# Altium PCB SP8T_ecal.PcbDoc (part 2 of 3) (continued)
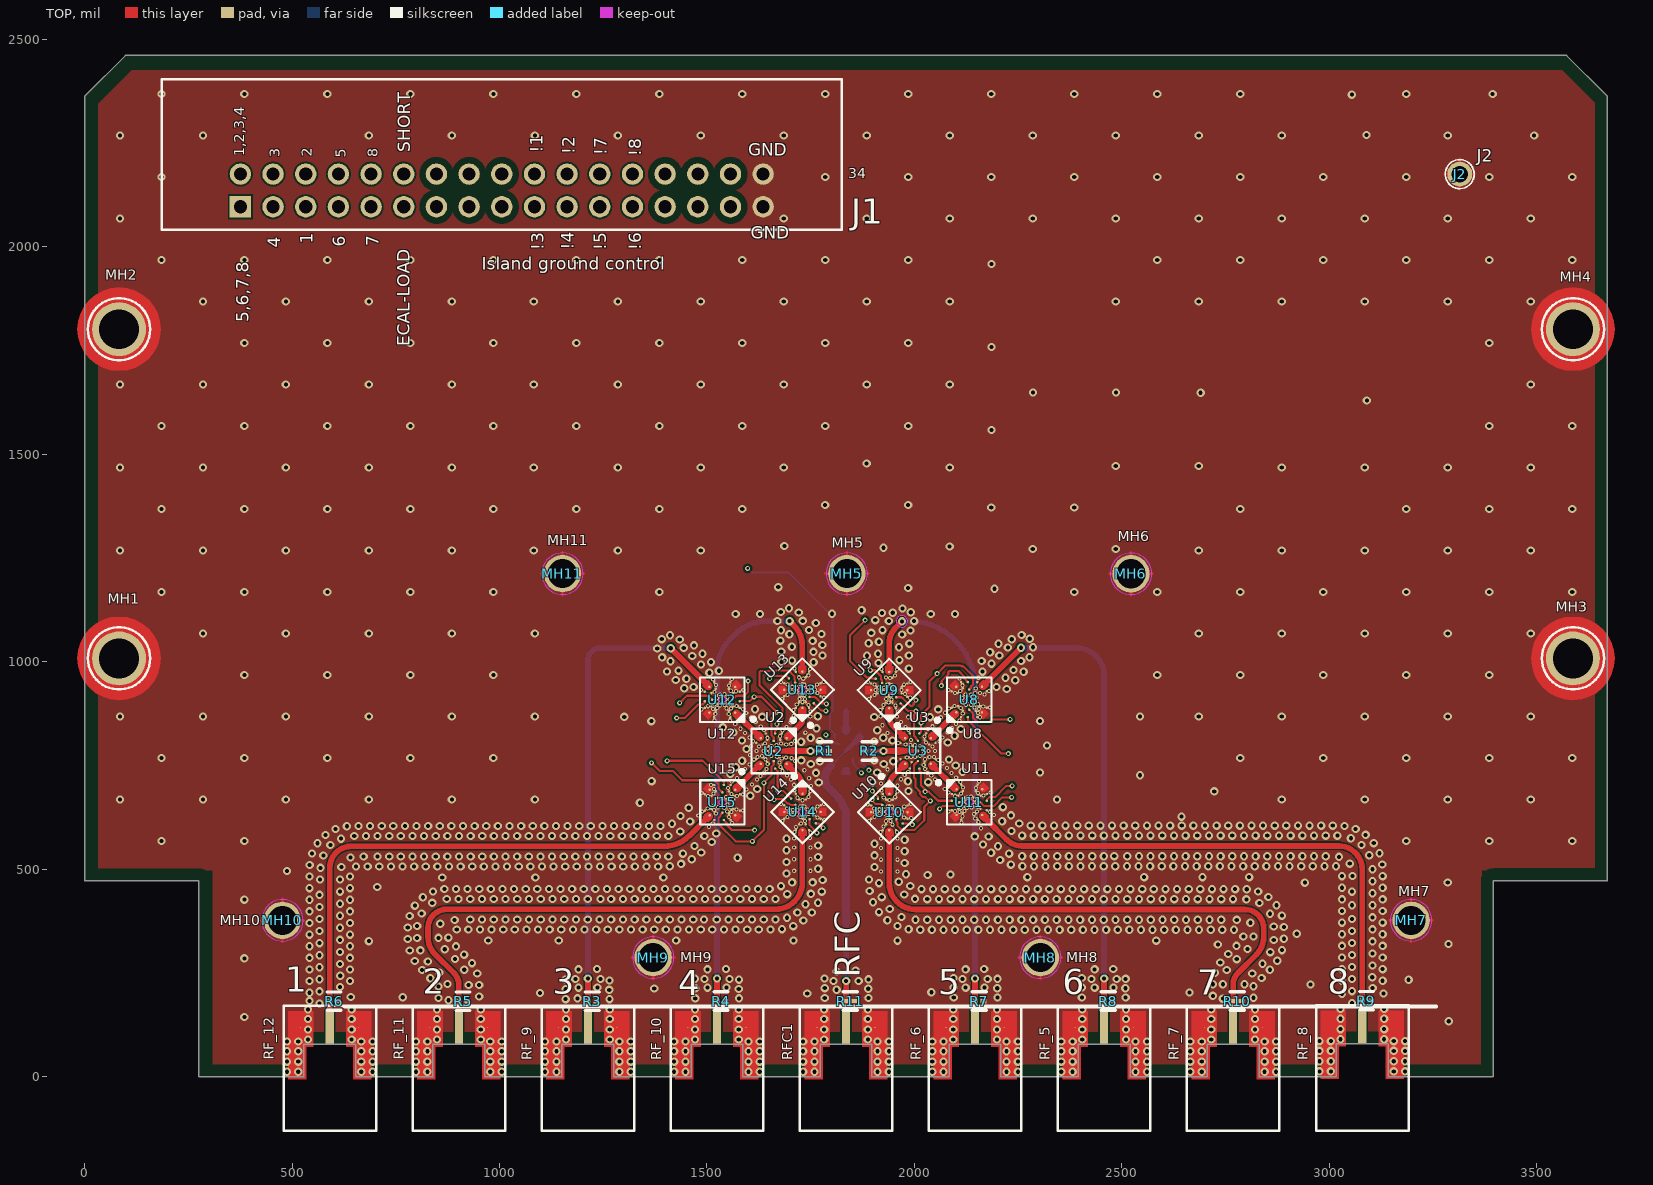
[diagram p0: TOP view]
## Nets (pads, with @x,y where several pads share a name; then routed paths per layer and width w, separated by ;. In a path a pad name is that pad's centre, name@x,y a point inside that pad or via, vN(x,y) a via of type N, cw(c..) or ccw(c..) an arc to the next point about the centre after c; other vN are vias at no path point) (continued)
  other v2: 1835.07,200.03 1212.8,205.99 1524.08,205.71 2146.49,205.99 2457.56,205.28 1479.8,250 2193.1,249.5 1569.4,250.6 2100.7,250.9 2410.9,251.5 2503.4,252.6 1262.8,255.7 1161.4,257.3 1789.2,261.5 1882.2,264.9 1478.27,271.65 1573.19,271.54 2097.3,272.7 2196.9,273 2407.2,274.2 2508.5,274.4 1262.66,278.29 1162.3,281.3 1811.2,281.6 2122.16,281.84 1549.28,283.46 2171.33,283.46 2482.35,283.46 1499.4,285.04 2432.07,284.41 1187.94,286.06 1237.7,287.2 1858.6,288.7 1785.8,291.6 1884.8,293.9 2094.65,293.61 2196.8,295.88 2405.64,297.02 2506.66,297.02 1574.79,297.9 1475.57,298.73 2121.01,304.65 1163.6,305.9 1262.66,305.85 1549.28,311.02 2171.33,311.02 2482.35,311.02 1810.9,311.4 2432.07,313.23 1187.94,313.62 1498.89,313.74 1238.26,318.9 1884.5,320.6 2094.65,321.17 1858.6,322.1 1783.5,323.4 2196.8,323.44 2405.64,324.58 2506.66,324.58 1574.79,325.46 1473.17,329.09 1163.35,329.76 2121.01,332.2 1262.66,333.41 1549.28,338.58 2171.33,338.58 2482.35,338.58 1187.94,341.18 1810.4,340.6 2431.25,341.73 1498.57,344.61 1238.26,346.46 1888.5,346.9 2094.65,348.73 1780.4,350.3 2196.8,351 2405.64,352.14 2506.66,352.14 1574.79,353.02 1862.9,352.5 1163.35,357.31 1473.77,358.95 2121.01,359.76 1262.66,360.97 1549.28,366.14 2171.33,366.14 2482.35,366.14 1805.44,367.75 1187.94,368.74 1889.3,372.5 2431.09,373.11 1238.26,374.02 1498.96,376.54 2094.65,376.29 2196.8,378.56 2405.64,379.7 2506.66,379.7 1574.79,380.57 1782.14,382.45 1865.74,383.95 1163.35,384.87 1473.77,386.51 2121.01,387.32 1262.66,388.52 1549.28,393.7 2171.33,393.7 2482.35,393.7 1805.44,395.31 1187.94,396.3 1889.44,400.05 1238.26,401.57 1498.96,404.09 2094.65,403.84 2196.8,406.11 2405.64,407.25 2506.66,407.25 1574.79,408.13 2432.04,407.4 1782.14,410.01 1865.74,411.51 1163.35,412.43 1473.77,414.06 2121.01,414.88 1262.66,416.08 1549.28,421.26 2171.33,421.26 2482.35,421.26 1805.44,422.87 1187.94,423.86 1889.44,427.61 1238.26,429.13 1498.96,431.65 2094.65,431.4 2196.8,433.67 2405.64,434.81 2432.04,434.96 2506.66,434.81 1574.79,435.69 1782.14,437.57 1865.74,439.07 1163.35,439.99 1473.77,441.62 2121.01,442.44 1262.66,443.64 1549.28,448.82 2171.33,448.82 2482.35,448.82 1805.44,450.43 1187.94,451.42 1889.44,455.17 1238.26,456.69 1498.96,459.21 2094.65,458.96 2196.8,461.23 1574.79,463.25 2405.64,462.37 2432.04,462.52 2506.66,462.37 1782.14,465.13 1865.74,466.63 1163.35,467.55 1473.77,469.18 2121.01,470 1262.66,471.2 1549.28,476.38 2171.33,476.38 2482.35,476.38 1805.44,477.99 1187.94,478.98 1889.44,482.73 1238.26,484.25 1498.96,486.77 2094.65,486.52 2196.8,488.79 2405.64,489.93 2432.04,490.08 2506.66,489.93 1574.79,490.81 1782.14,492.69 1865.74,494.19 1163.35,495.11 1473.77,496.74 2121.01,497.56 1262.66,498.76 1549.28,503.94 2171.33,503.94 2482.35,503.94 1805.44,505.54 1187.94,506.54 1889.44,510.29 1238.26,511.81 2094.65,514.08 1498.96,514.33 2196.8,516.35 2405.64,517.49 2432.04,517.64 2506.66,517.49 1574.79,518.37 1782.14,520.24 1865.74,521.74 1163.35,522.67 1473.77,524.3 2121.01,525.12 1262.66,526.32 2482.35,530.47 1549.28,531.5 2171.33,531.5 1805.44,533.1 1187.94,534.09 1889.44,537.84 1238.26,539.37 1498.96,541.89 2094.65,541.64 2196.8,543.91 2405.64,545.05 2432.04,545.2 2506.66,545.05 1574.79,545.93 1782.14,547.8 1163.35,550.23 1865.74,549.3 1473.77,551.86 2121.01,552.68 1262.66,553.88 1549.28,559.06 2171.33,559.06 2482.35,559.06 1805.44,560.66 1187.94,561.65 1889.44,565.4 1238.26,566.93 2094.65,569.2 1498.96,569.45 2196.8,571.47 1784.4,572.4 2405.64,572.61 2432.04,572.76 2506.66,572.61 1574.79,573.49 1865.74,576.86 1163.35,577.79 1473.77,579.42 2121.01,580.24 1262.66,581.44 1549.28,586.61 2171.33,586.61 2482.35,586.61 1805.44,588.22 1187.94,589.21 1889.44,592.96 1238.26,594.49 1498.96,597.01 2094.65,596.76 2196.8,599.03 2405.64,600.17 2506.66,600.17 1574.79,601.05 2432.04,600.31 1865.74,604.42 1163.35,605.35 1473.77,606.98 2121.01,607.8 1262.66,609 1549.28,614.17 2171.33,614.17 2482.35,614.17 1805.44,615.78 1187.94,616.77 1887.6,620.9 1238.26,622.05 1498.96,624.57 2094.65,624.32 1780.9,625.5 2196.8,626.59 2405.64,627.73 2432.04,627.87 2506.66,627.73 1574.79,628.61 1864.6,630.1 1163.35,632.91 1473.77,634.54 2121.01,635.35 1262.66,636.56 1803.2,640.2 1549.28,641.73 2171.33,641.73 2482.35,641.73 1187.94,644.33 1884.4,647.1 1768.5,648.7 1238.26,649.61 1498.96,652.13 2094.65,651.88 2196.8,654.15 1574.79,656.17 2405.64,655.29 2432.04,655.43 2506.66,655.29 1860.3,657.4 1163.35,660.46 1473.77,662.1 1789.5,662.1 2121.01,661.85 1263.5,667.1 1877.38,666.69 1549.28,669.29 2171.33,669.29 2482.35,669.29 1187.94,671.89 1749.2,673.1 1238.26,677.17 1498.96,679.69 2094.65,679.44 1849,681.2 1770.1,681.3 2196.8,681.71 2405.64,682.85 2432.04,682.99 2506.66,682.85 1574.79,683.72 1163.35,688.02 1473.77,689.66 2121.01,690.47 1735.5,695.3 1263.2,696.9 1549.28,696.85 2171.33,696.85 2482.35,696.85 1187.94,699.45 1831.9,699.9 1864.11,703.82 1238.26,704.72 1758.5,705.6 1498.96,707.24 2094.65,706.99 2196.8,709.26 2405.64,710.4 2432.04,710.55 2506.66,710.4 1574.79,711.28 1163.35,715.58 1473.77,717.21 1814.4,717.5 1850.2,717.4 2121.01,718.03 1549.28,724.41 2171.33,724.41 2482.35,724.41 1265.5,725.3 1187.94,727.01 1736.1,727.6 1238.26,732.28 1759.6,733.6 1498.96,734.8 2094.65,734.55 2196.8,736.82 2405.64,737.96 2432.04,738.11 2506.66,737.96 1574.79,738.84 1163.35,743.14 1473.77,744.77 2121.01,745.59 1549.28,751.97 2171.33,751.97 2482.35,751.97 1266.1,753.1 1187.94,754.57 1238.26,759.84 2094.65,762.11 1498.96,762.36 2196.8,764.38 2405.64,765.52 2432.04,765.67 2506.66,765.52 1574.79,766.4 1163.35,770.7 1473.77,772.33 2121.01,773.15 1549.28,779.53 2171.33,779.53 2482.35,779.53 1266.1,780.9 1187.94,782.13 1718.9,784.85 1956.68,785.42 1238.26,787.4 1498.96,789.92 2094.65,789.67 2196.8,791.94 2405.64,793.08 2432.04,793.23 2506.66,793.08 1574.79,793.96 1163.35,798.26 1473.77,799.89 2121.01,800.71 1549.28,807.09 2171.33,807.09 2482.35,807.09 1187.94,809.69 1265.8,811 1238.26,814.96 2094.65,817.23 1498.96,817.48 2196.8,819.5 2405.64,820.64 2432.04,820.79 2506.66,820.64 1574.79,821.52 1163.35,824.59 1473.77,827.45 2121.01,828.27 1549.28,834.65 2171.33,834.65 2482.35,834.65 1187.94,837.24 1266.1,839.9 1238.26,842.52 1498.96,845.04 2094.65,844.79 2196.8,847.06 1574.77,847.81 2405.64,848.2 2506.66,848.2 2432.04,848.35 1163.35,852.15 1473.77,855.01 2121.01,855.83 1549.28,862.2 2171.33,862.2 2482.35,862.2 1187.94,864.8 1265.5,867.2 1238.26,870.08 1498.96,872.6 2093.2,872.6 2198.9,874.7 1574.77,875.37 2405.94,876.15 2432.04,875.91 2506.06,875.86 1163.35,879.71 1476.9,882.1 2121.01,883.39 1549.28,889.76 2171.33,889.76 2482.35,889.76 1187.94,892.36 1266.1,895.8 1238.26,897.64 1498.96,900.16 2093.2,899.88 1574.77,902.93 2197.2,903.6 2405.94,903.71 2432.04,903.46 2506.06,903.42 1163.35,907.26 2121.01,910.67 1474.27,912.17 1549.28,917.32 2171.33,917.32 2482.35,917.32 1187.94,919.92 1264.9,923.9 1238.26,925.2 1498.96,927.72 2093.2,927.71 1574.77,930.49 2432.04,931.02 2506.06,930.98 2405.94,931.26 2195.5,932.3 1163.35,934.82 2121.01,938.5 1474.27,939.73 1549.28,944.88 2171.21,944.88 2482.35,944.88 1187.94,947.48 1238.26,952.76 1264.6,952.3 2087.65,953.38 1498.96,955.28 1574.77,958.05 2405.94,958.82 2432.04,958.58 2506.06,958.54 2192.21,960.78 1163.35,962.38 2115.46,964.17 1474.27,967.29 1549.28,972.44 2168.14,972.28 2482.11,972.44 1187.94,975.04 1265.68,978.65 1372.8,979 2262.4,978.6 1293.84,979.75 1321.39,979.75 1348.95,979.75 1238.26,980.31 2081.98,980.78 1427.1,982.6 1499,982.83 2285.68,982.95 2313.24,982.95 2340.79,982.95 2368.35,982.95 2395.91,982.95 1397.2,983.5 1574.77,985.61 2426.84,985.67 2506.06,986.1 2189.14,988.18 1163.35,989.94 2109.79,991.57 1474.27,994.85 2160.93,998.86 1552.04,999.84 2475.93,999.29 1187.94,1002.6 2068.2,1004.64 2302.86,1005.12 2407.35,1005.16 1241.17,1005.39 1266.4,1008.2 1292.2,1008.2 1318,1008.2 1340.7,1007.6 2324.79,1007.87 2352.35,1007.87 2379.91,1007.87 1366.5,1008.5 1435.55,1009.57 1502.74,1010.12 1588,1009.9 2235.72,1010.14 2181.93,1014.76 2096.01,1015.43 2499.4,1015.5 1163.35,1017.5 1480.7,1021.6 2462,1023.07 2149.83,1024.09 1564.04,1024.65 2049.89,1025.23 1193.1,1026.6 1606.7,1030.6 1512.27,1035.98 2077.7,1036.02 2484.7,1037.9 2022.2,1039.3 2170.83,1039.99 1632.3,1041.7 1973,1042.2 2442.31,1042.4 1208.5,1045.1 1582.9,1044.76 1170.75,1045.66 1488.17,1046.18 1657.2,1047.1 1995.2,1047.2 2134.99,1047.32 1708.57,1048.4 1678,1051.6 2058.5,1052.6 2419.4,1053.94 1233.7,1056.4 1260.1,1057.3 1287.6,1058.1 1314.9,1057.9 1341.3,1058.1 1367.7,1057.6 2312.74,1058.19 2340.3,1058.19 2367.86,1058.19 2395.42,1058.19 1527.19,1059.17 1604.32,1062.13 2461.4,1061.6 2036.1,1064 1186,1065.2 2116.8,1068.03 1503.09,1069.37 2012.2,1071.1 1630.3,1071.3 1948.57,1073.7 1722.7,1074.84 2438.7,1075.2 1655.34,1075.83 1206.26,1078.35 1546.17,1079.13 2243.04,1079.45 2270.6,1079.45 2298.16,1079.45 2325.72,1079.45 2353.28,1079.45 2380.84,1079.45 2408.39,1079.45 1425.4,1081.3 2137.8,1083.93 1232.72,1084.65 1260.28,1084.65 1287.84,1084.65 1315.39,1084.65 1342.95,1084.65 1370.51,1084.65 1396.6,1085.1 2096.29,1086.46 1522.07,1089.33 1566.68,1097.56 2073.18,1101.42 2117.29,1102.36 1541.68,1108.86 1590.5,1111.42 2047.94,1112.52 2094.18,1117.32 1616.72,1119.92 2021.29,1119.49 1650.6,1123 1564.5,1125.1 2068.94,1128.42 1588.3,1138.2 2046.3,1139.4 1995.8,1143.7 2019.9,1144.3 1616.7,1145.6 1717.6,1147.2 1642.5,1148.1 1691.2,1150 1969.6,1149.4 1668.2,1150.3
  other v3: 487.8,11.7 515.2,11.7 666.9,11.7 694.3,11.7 798.82,11.7 826.22,11.7 977.92,11.7 1005.32,11.7 1109.85,11.7 1137.25,11.7 1288.95,11.7 1316.35,11.7 1420.87,11.7 1448.27,11.7 1599.97,11.7 1627.37,11.7 1731.9,11.7 1759.3,11.7 1911,11.7 1938.4,11.7 2042.92,11.7 2070.32,11.7 2222.02,11.7 2249.42,11.7 2353.94,11.7 2381.34,11.7 2533.04,11.7 2560.44,11.7 2664.97,11.7 2692.37,11.7 2844.07,11.7 2871.47,11.7 2976.23,12.57 3003.63,12.57 3155.33,12.57 3182.73,12.57 487.8,36 515.2,36 666.9,36 694.3,36 798.82,36 826.22,36 977.92,36 1005.32,36 1109.85,36 1137.25,36 1288.95,36 1316.35,36 1420.87,36 1448.27,36 1599.97,36 1627.37,36 1731.9,36 1759.3,36 1911,36 1938.4,36 2042.92,36 2070.32,36 2222.02,36 2249.42,36 2353.94,36 2381.34,36 2533.04,36 2560.44,36 2664.97,36 2692.37,36 2844.07,36 2871.47,36 2976.23,36.87 3003.63,36.87 3155.33,36.87 3182.73,36.87 487.8,61 515.2,61 666.9,61 694.3,61 798.82,61 826.22,61 977.92,61 1005.32,61 1109.85,61 1137.25,61 1288.95,61 1316.35,61 1420.87,61 1448.27,61 1599.97,61 1627.37,61 1731.9,61 1759.3,61 1911,61 1938.4,61 2042.92,61 2070.32,61 2222.02,61 2249.42,61 2353.94,61 2381.34,61 2533.04,61 2560.44,61 2664.97,61 2692.37,61 2844.07,61 2871.47,61 2976.23,61.87 3003.63,61.87 3155.33,61.87 3182.73,61.87 487.8,84.5 515.2,84.5 666.9,84.5 694.3,84.5 798.82,84.5 826.22,84.5 977.92,84.5 1005.32,84.5 1109.85,84.5 1137.25,84.5 1288.95,84.5 1316.35,84.5 1420.87,84.5 1448.27,84.5 1599.97,84.5 1627.37,84.5 1731.9,84.5 1759.3,84.5 1911,84.5 1938.4,84.5 2042.92,84.5 2070.32,84.5 2222.02,84.5 2249.42,84.5 2353.94,84.5 2381.34,84.5 2533.04,84.5 2560.44,84.5 2664.97,84.5 2692.37,84.5 2844.07,84.5 2871.47,84.5 2976.23,85.37 3003.63,85.37 3155.33,85.37 3182.73,85.37 538.4,89.2 643.7,89.2 849.42,89.2 954.72,89.2 1160.45,89.2 1265.75,89.2 1471.47,89.2 1576.77,89.2 1782.5,89.2 1887.8,89.2 2093.52,89.2 2198.82,89.2 2404.54,89.2 2509.84,89.2 2715.57,89.2 2820.87,89.2 3026.83,90.07 3132.13,90.07 538.4,113.5 643.7,113.5 849.42,113.5 954.72,113.5 1160.45,113.5 1265.75,113.5 1471.47,113.5 1576.77,113.5 1782.5,113.5 1887.8,113.5 2093.52,113.5 2198.82,113.5 2404.54,113.5 2509.84,113.5 2715.57,113.5 2820.87,113.5 3026.83,114.37 3132.13,114.37 3287.9,133.46 538.4,138.5 643.7,138.5 849.42,138.5 954.72,138.5 1160.45,138.5 1265.75,138.5 1471.47,138.5 1576.77,138.5 1782.5,138.5 1887.8,138.5 2093.52,138.5 2198.82,138.5 2404.54,138.5 2509.84,138.5 2715.57,138.5 2820.87,138.5 3026.83,139.37 3132.13,139.37 385.26,143.5 538.4,162 643.7,162 849.42,162 954.72,162 1160.45,162 1265.75,162 1471.47,162 1576.77,162 1782.5,162 1887.8,162 2093.52,162 2198.82,162 2404.54,162 2509.84,162 2715.57,162 2820.87,162 3026.83,162.87 3132.13,162.87 1159.5,186.6 1265,186.6 1187.9,188.5 1471.7,188.5 1577.2,188.5 1783.8,189.1 1889.3,189.1 767.04,191.02 2094.7,190.4 2200.2,190.4 2403.6,190.4 2509.1,190.4 1741.84,200 1097.74,201.57 2040.78,203.23 2662.82,202.76 1264.4,209 1812.67,209.15 1159.8,210.6 1576.6,210.9 1372.94,212.2 1888.7,211.5 1472,212.5 1784.1,213.1 2199.6,212.8 2508.5,212.8 1190.34,214.25 1501.37,214.25 2123.41,214.25 2434.44,214.25 1235.93,214.45 1546.96,214.45 2095,214.4 2169,214.45 2403.9,214.4 2480.03,214.45 2954.71,221.85 1805.23,230.14 1865.66,230.25 1265,231.7 1159.1,233.7 1577.2,233.6 1889.3,234.2 3191.05,233.46 1182.9,235.24 1493.93,235.24 2115.97,235.24 2427,235.24 1243.33,235.35 1471.3,235.6 1554.36,235.35 1783.4,236.2 2176.41,235.35 2200.2,235.5 2487.43,235.35 2509.1,235.5 2094.3,237.5 2403.2,237.5 1812.67,253.25 1858.3,255.4 1190.34,258.35 1501.37,258.35 2123.41,258.35 2434.44,258.35 1234.99,259.41 1546.01,259.41 2168.06,259.41 2479.08,259.41 385.26,284.92 2731.37,318.23 3287.11,319.69 685.26,326.34 973.1,327.91 1142.82,327.91 1425.74,327.91 1708.65,327.91 1959.36,327.6 2582.94,327.6 2921.41,344.17 385.26,426.34 705.62,456.69 2941.05,467.32 3285.26,467.76 862.23,479.76 1086.52,479.76 1394.95,479.76 2272.27,480.63 2553.61,480.63 2694.28,480.63 2806.8,480.63 488.02,495.31 185.26,567.76 385.26,567.76 3185.26,567.76 3385.26,567.76 3585.26,567.76 2643.85,626.34 1338.26,659.84 85.26,667.76 285.26,667.76 485.26,667.76 685.26,667.76 885.26,667.76 1085.26,667.76 2343.85,667.76 2885.26,667.76 3085.26,667.76 3285.26,667.76 3485.26,667.76 2722.63,687.28 1366.68,712.05 2543.85,726.34 2302.74,732.76 1750.36,753.3 1925.96,753.3 1771.95,760.04 1948.96,759.74 1727.15,762.04 1903.55,761.64 185.26,767.76 385.26,767.76 585.26,767.76 785.26,767.76 985.26,767.76 2785.26,767.76 2985.26,767.76 3185.26,767.76 3385.26,767.76 3585.26,767.76 2319.71,797.64 1726.99,806.89 1902.89,807.29 1771.65,808.53 1946.95,809.73 1749.85,816.63 1924.85,816.53 1366.13,856.61 2302.74,857.01 1300.7,866.9 85.26,867.76 285.26,867.76 485.26,867.76 685.26,867.76 885.26,867.76 1085.26,867.76 2543.85,867.76 2685.26,867.76 2885.26,867.76 3085.26,867.76 3285.26,867.76 3485.26,867.76 385.26,967.76 585.26,967.76 785.26,967.76 985.26,967.76 2585.26,967.76 2785.26,967.76 2985.26,967.76 3185.26,967.76 3385.26,967.76 1412.07,1000.79 2257.31,1001.69 1391.96,1010.35 2277.43,1010.51 1444.16,1033.15 2225.22,1034.06 1434.63,1053.19 2234.75,1054.09 1391.25,1054.29 2278.14,1055.2 1411.01,1063.5 2258.37,1064.41 1698.69,1065.91 1970.46,1065.35 285.26,1067.76 485.26,1067.76 685.26,1067.76 885.26,1067.76 1085.26,1067.76 2685.26,1067.76 2885.26,1067.76 3085.26,1067.76 3285.26,1067.76 3485.26,1067.76 1990.58,1074.92 1678.57,1075.47 1938.37,1097.72 1730.78,1098.27 1947.9,1117.76 1721.25,1118.31 1991.29,1118.86 1677.86,1119.41 1971.52,1128.07 1697.63,1128.62 185.26,1167.76 385.26,1167.76 585.26,1167.76 785.26,1167.76 985.26,1167.76 1385.26,1167.76 2385.26,1167.76 2585.26,1167.76 2785.26,1167.76 2985.26,1167.76 3185.26,1167.76 3385.26,1167.76 3585.26,1167.76 2193.02,1175.59 1984.95,1177.28 1671.76,1179.53 85.26,1267.76 285.26,1267.76 485.26,1267.76 685.26,1267.76 885.26,1267.76 1082.62,1267.76 1285.26,1267.76 1485.26,1267.76 2685.26,1267.76 2885.26,1267.76 3085.26,1267.76 3285.26,1267.76 3485.26,1267.76 2285.26,1271.34 2485.26,1271.34 1925.7,1274.41 2084.95,1277.28 1686.53,1278.86 185.26,1367.76 385.26,1367.76 585.26,1367.76 785.26,1367.76 985.26,1367.76 1185.26,1367.76 1385.26,1367.76 1585.26,1367.76 2785.26,1367.76 3185.26,1367.76 3385.26,1367.76 3585.26,1367.76 2185.26,1371.34 2385.26,1371.34 1784.95,1377.28 1984.95,1377.28 85.26,1467.76 285.26,1467.76 485.26,1467.76 685.26,1467.76 885.26,1467.76 1082.62,1467.76 1285.26,1467.76 1485.26,1467.76 1685.26,1467.76 2085.26,1467.76 2885.26,1467.76 3085.26,1467.76 3285.26,1467.76 3485.26,1467.76 2485.26,1471.34 2685.26,1471.34 1884.95,1477.28 2185.58,1558.23 185.26,1567.76 385.26,1567.76 585.26,1567.76 785.26,1567.76 985.26,1567.76 1185.26,1567.76 1385.26,1567.76 1585.26,1567.76 1785.26,1567.76 1985.26,1567.76 3385.26,1567.76 3585.26,1567.76 3090.5,1629.09 2689.87,1648.15 2285.89,1648.7 2485.89,1648.7 85.26,1667.76 285.26,1667.76 485.26,1667.76 685.26,1667.76 885.26,1667.76 1082.62,1667.76 1285.26,1667.76 1485.26,1667.76 1685.26,1667.76 1885.26,1667.76 2085.26,1667.76 3485.26,1667.76 2185.58,1758.23 385.26,1767.76 585.26,1767.76 785.26,1767.76 985.26,1767.76 1185.26,1767.76 1385.26,1767.76 1585.26,1767.76 1785.26,1767.76 1985.26,1767.76 3385.26,1767.76 285.26,1867.76 485.26,1867.76 685.26,1867.76 885.26,1867.76 1082.62,1867.76 1285.26,1867.76 1485.26,1867.76 1685.26,1867.76 1885.26,1867.76 2085.26,1867.76 2485.26,1867.76 2685.26,1867.76 2885.26,1867.76 3085.26,1867.76 3285.26,1867.76 3485.26,1867.76 2185.58,1958.23 185.26,1967.76 385.26,1967.76 585.26,1967.76 785.26,1967.76 985.26,1967.76 1185.26,1967.76 1385.26,1967.76 1585.26,1967.76 1785.26,1967.76 1985.26,1967.76 2585.26,1967.76 2785.26,1967.76 2985.26,1967.76 3185.26,1967.76 3385.26,1967.76 3585.26,1967.76 85.26,2067.76 1685.26,2067.76 1885.26,2067.76 2085.26,2067.76 2285.26,2067.76 2485.26,2067.76 2685.26,2067.76 2885.26,2067.76 3085.26,2067.76 3285.26,2067.76 3485.26,2067.76 185.26,2167.76 1785.26,2167.76 1985.26,2167.76 2185.26,2167.76 2385.26,2167.76 2585.26,2167.76 2785.26,2167.76 2985.26,2167.76 3185.26,2167.76 3385.26,2167.76 3585.26,2167.76 85.26,2267.76 285.26,2267.76 685.26,2267.76 885.26,2267.76 1085.26,2267.76 1285.26,2267.76 1485.26,2267.76 1685.26,2267.76 1885.26,2267.76 2085.26,2267.76 2285.26,2267.76 2485.26,2267.76 2685.26,2267.76 2885.26,2267.76 3285.26,2267.76 3493.57,2267.91 3089.79,2269.33 3054.36,2366.46 185.26,2367.76 385.26,2367.76 585.26,2367.76 785.26,2367.76 985.26,2367.76 1185.26,2367.76 1385.26,2367.76 1585.26,2367.76 1785.26,2367.76 1985.26,2367.76 2185.26,2367.76 2385.26,2367.76 2585.26,2367.76 2785.26,2367.76 3185.26,2367.76 3393.57,2367.91
  other v4: 1919.63,494.41 1959.16,494.41 1710.26,495.87 1749.79,495.87 1919.63,522.68 1959.16,522.68 1710.26,523.78 1749.79,523.78 1919.63,550.98 1959.16,550.98 1710.26,551.69 1749.79,551.69 1710.26,573.7 1919.63,573.39 1959.16,573.39 1748,575 1749.26,587.57 1711,589 1918.1,588.86 1958.23,588.88 2160.19,598.5 1714.7,601 1505.22,601.97 1925.3,602.4 1947.36,607.05 1514.04,609.69 1726.71,609.61 1560.3,610.47 2113.45,611.65 2154,613 1681.76,616.02 1736.03,615.77 1890.94,615.54 1931.7,615.35 1942.76,615.9 1782.88,618.51 2146.69,622.08 1992.41,623.19 1766.05,624.76 1975.38,624.45 1553.06,626.06 1694.56,625.59 1725.11,625.59 1903.89,625.28 1934.69,625.37 1944.9,625.4 1736.73,626.76 2115.74,627.44 1479.24,629.53 1707.28,630.85 2191.96,630.28 1717.43,632.16 1744.75,633.22 1927.5,632.8 1953.2,632.68 2143.54,632.31 1521.41,633.61 1915.38,633.78 1698.53,636.57 1905.24,636.3 1559.4,638.07 1969.52,638.11 2108.52,637.51 2182.6,638.1 1488.37,638.66 1549.04,638.88 1760.19,638.43 2082.47,638.5 2150.78,639.23 2097.95,639.47 2120.79,640.15 1587.15,641.46 1517.52,642.8 1707.36,642.55 1717.91,642.63 1927.94,643.19 1571.37,643.74 1742.7,643.94 1915.75,644.1 1952.79,643.47 1502,646 1902.34,645.97 1693.02,646.3 1541.72,647.8 2112.35,647.48 2127.1,647.74 1526.96,649.03 1558.12,648.68 2137.32,648.33 2152.74,649.55 1724.38,650.32 1734.85,650.81 1766.13,650.75 1935.32,650.63 1945.62,650.49 1975.46,650.43 1516.33,653.01 1549.79,655.55 1887.41,655.79 2120.21,656.19 2144.71,655.77 1678.85,656.93 1781.96,656.97 1991.29,656.65 1552.68,665.05 1730.12,665.97 1939.5,666.62 2118.77,666.9 1563.3,667.8 2144.78,667.26 1718,672 1926.1,672.8 2126.91,672.95 1546.04,673.27 1744.4,673.58 1953.73,673.27 2136.71,674.55 1572,676 1502.94,676.57 2097.55,676.64 2166.88,677.44 1587,679.57 1559,681 1515.65,682.27 2111.95,682.53 2153.06,682.95 1487.35,683.35 2081.64,684.72 2183.22,684.92 1749.63,687.83 1958.93,687.52 1710.93,690.16 1920.26,689.84 1595.58,692.01 1517.01,693.21 2073.14,693.31 1550.7,695.73 2148.57,695.87 2117.04,696.65 1750.78,700.59 1959.56,700.79 1510.21,702.46 1709.87,703.15 1608.69,703.94 2060.71,704.92 1919.59,706.69 2110.62,710.39 1559.77,711.8 2155.34,711.46 1620.5,715.75 1702.78,715.75 2049.49,716.03 1967.43,716.54 1572.15,718.9 1746.48,718.9 2100.7,720.47 1629.5,724.5 1693.3,725.5 1926.13,725.59 2040.56,725.56 1976.61,726.66 1582.78,730.71 1638.07,732.13 2031.53,731.47 2089.67,731.89 1985.1,734.2 1682.4,736.9 1734.67,738.19 1935.3,740.47 2025.21,740.92 1591.37,741.34 1643.89,741.61 2078.26,743.31 1677.15,746.33 2022.42,751.04 1602.78,751.97 1646.4,753.4 2068.02,754.72 1674.8,756.84 1712,760.6 2057.53,762.84 1613.5,763.7 1641.33,764.61 2025.71,764.7 1680.24,766.35 1703.42,767.55 1690.9,768.8 1981.7,769.1 1991.65,769.92 2001.91,770.25 2035.92,770.1 2047.54,770.12 1622.16,770.57 1669.3,770.5 1633.13,772.63 1656,772.5 2013.66,772.58 1603.74,774.62 1646.46,779.41 2023.42,779.32 1619.83,784.53 1636.13,784.53 2033.53,784.61 2049.83,784.61 1646.68,790.03 2023.46,789.73 1625.74,795.71 2043.92,795.79 1606.52,796.93 1656,796.7 2013.66,796.78 1667.7,798.84 1990.6,798.9 2001.06,798.99 1978.97,799.99 1691.2,800.6 1703.11,801.98 1639.71,802.32 1678.26,802.32 1961.05,804.03 2028.33,804.69 1610.78,808.11 2060.57,807.97 1712.2,809.2 1992.19,810.86 1646,816.4 1602.47,817.32 2067.23,817.32 1676.05,820.08 2024,819.4 1591.84,827.95 1935.38,828.19 1737.07,828.74 2079.63,829.53 1637.98,835.24 1681.76,834.57 1985.93,835.67 1580.5,838.15 2032.82,837.69 2090.38,839.41 1691.44,842.56 1978.26,842.52 1629.67,843.31 2043.41,844.13 1746.6,847.2 1923.06,846.65 1568.22,850 2100.5,850 1702.07,853.58 1617.47,854.33 1968.02,854.41 2052.47,855.16 2108.61,857.72 1517.86,858.46 1555.97,858.62 1606.44,865.35 2063.49,865.79 2157.92,865.98 1748.93,867.76 1958.41,867.72 1708.77,868.54 1918.73,868.43 1520.15,874.25 1552.5,874 2116.6,874.6 1594.63,876.38 2074.12,876.81 2152.92,876.32 1749.62,879.42 1961.15,879.5 1917.67,882.83 1708.41,883.39 1587.58,885.19 1486.88,885.31 1514.48,886.22 1557.8,887 2082.94,886.69 2155.63,886.35 1524.77,888.1 1547.38,887.6 2111.77,888.31 2144.74,889.71 2181.72,889.49 2165.93,891.77 1502.47,892.56 1571.7,892.8 2096.72,893.07 1531.69,894.95 1744.9,895.1 1954.3,894.5 1542.3,896.08 1925.5,895.6 2124.18,895.73 2136.29,895.83 1518.12,896.36 1557.08,896.95 1716.4,896.4 2152.9,897.31 1730.2,902.2 1938.06,901.48 2114.3,901.75 1525.05,903.43 1549.3,903.9 2145.24,904.11 1944.88,909.12 1681.37,910.2 1736.34,910.04 1890.62,909.65 1932.19,909.97 1723.08,910.42 1524.12,912.6 1989.98,912.88 2115.77,912.62 1549.86,914.18 1782.51,913.55 2149.36,913.34 1903.41,919.21 1943.4,918.88 1694.16,919.76 1735.3,919.9 1933.37,919.89 1531.34,920.54 1724.7,920.31 2123.29,920.93 2136,921 2168.65,920.86 1541.94,921.32 1977.22,922.46 1766.56,924.08 2146.59,923.84 2157.96,924.07 2097.51,924.61 1916.14,925.65 1950.85,925.59 1517.98,926.7 1716.32,926.47 1743.06,926.47 1926.09,927.17 1569.66,928.6 1705.34,928.39 2110.42,929.09 1557.47,929.76 2179.6,929.6 1486.09,931.57 1587.63,931.73 1698.61,932.2 1905.91,931.63 1969.04,932.05 2081.92,931.38 1759.99,932.74 2147.79,934.9 1952.04,935.84 1717.09,937.12 1743.87,937.97 1914.57,938.04 1927.23,937.28 1705.61,939.32 1552.98,942.68 2115.93,942.91 1522.2,943.5 1724.08,944.06 1735.2,944.1 1944.9,943.4 1694.59,945.2 1765.74,944.92 1903.85,944.65 1934.67,944.48 1974.99,944.37 1678.45,951.1 1781.56,951.14 1887.7,950.55 1990.81,950.59 1515.07,957.24 1559.75,958.27 1732.1,958.84 2108.45,959.25 1941.44,960.23 2154.51,961.04 1722.26,962.24 1931.45,961.72 1744.3,967 1953.5,966.3 1748.7,982 1958,981.5 1920.2,982.4 1711,983.3
  other v5: 1985.22,866.19
  other v6: 1854.59,733.19 1815.93,735.55 1843.68,747.19 1823.36,747.93 1835.19,755.71 1786,766 1886.7,765.8 1800,770 1870.7,770.9 1839,772 1806,779 1865.1,781.1 1853.82,782.29 1823,790 1804.64,792.45 1867.9,795 1785,804 1884,806.8 1834.85,813.83 1820.98,818.97 1847.14,819.18 1854.59,836.34 1816.6,837.99